# Altium PCB PCB5.PcbDoc (part 2 of 5) (continued)
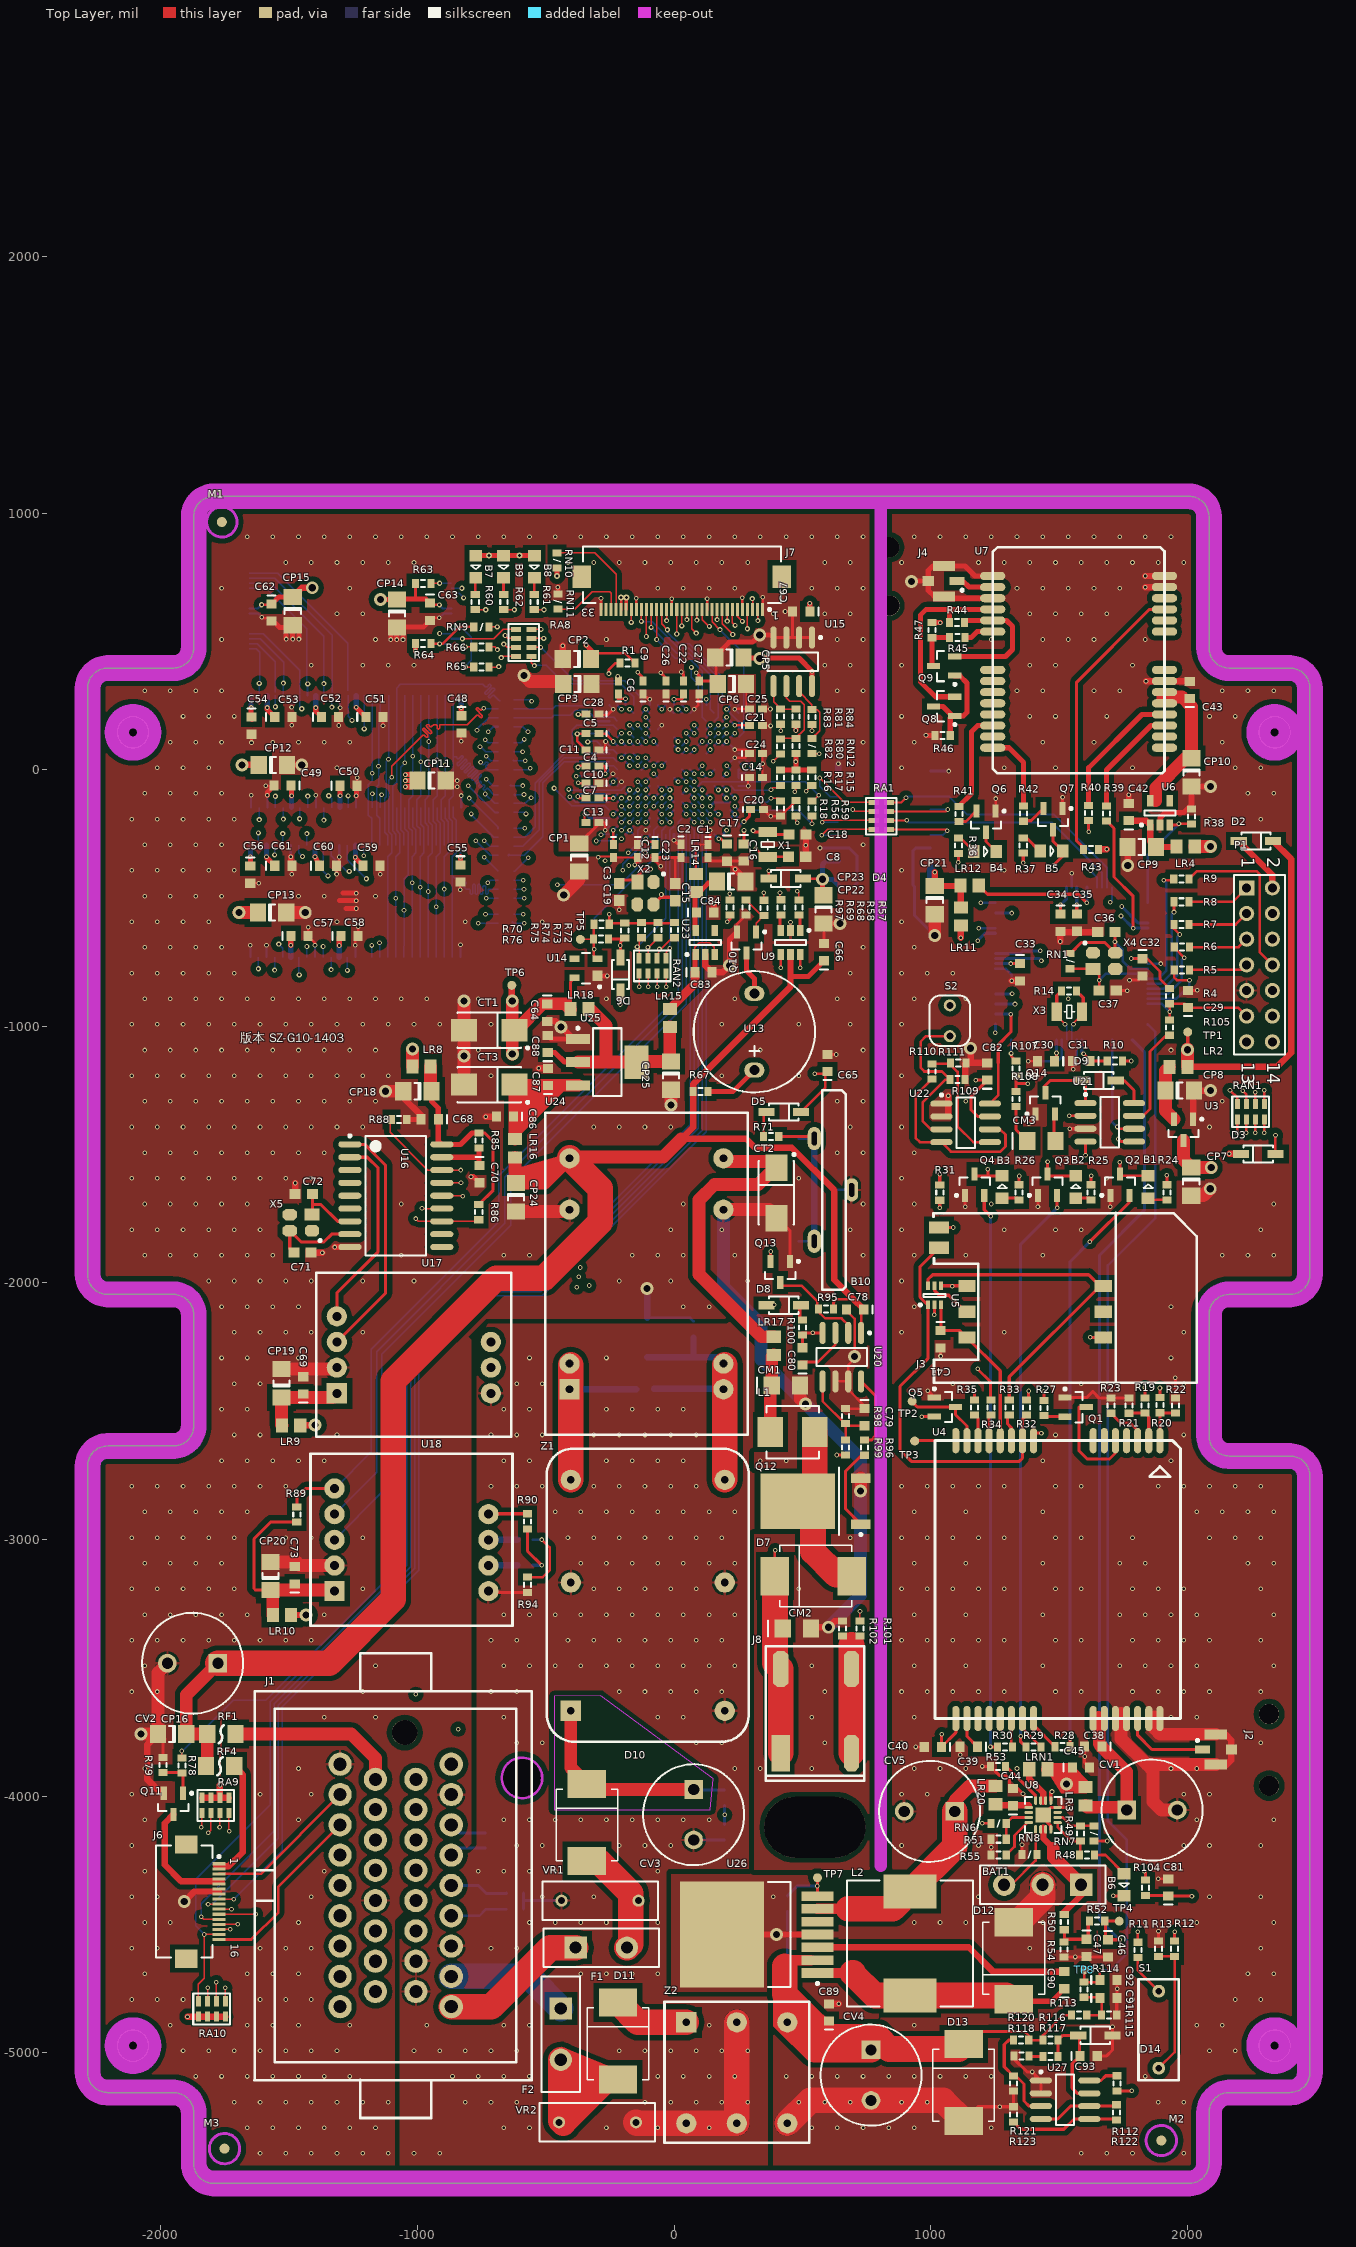
[diagram p0: Top Layer view]
## Nets (pads, with @x,y where several pads share a name; then routed paths per layer and width w, separated by ;. In a path a pad name is that pad's centre, name@x,y a point inside that pad or via, vN(x,y) a via of type N, cw(c..) or ccw(c..) an arc to the next point about the centre after c; other vN are vias at no path point) (continued)
  Bottom Layer w8: U1.C8@-188.98,31.5 v2(-173.23,15.75)
ALADDR12: RA4.4 U1.B9 | length 491
  DATA w5.91: v2(-576.8,-172.25) -542.33,-172.25 -395.36,-25.28 v2(-381.24,-25.28)
  Bottom Layer w5.91: RA4.4@-625.13,-166.48 -582.57,-166.48 v2(-576.8,-172.25) ; v2@-381.24,-24.28 -332.78,-24.28 -292.78,15.72 -236.19,15.72
  Bottom Layer w6: -236.19,15.72 U1.B9@-220.47,0
ALADDR13: RA7.2 U1.H8 | length 986.1
  DATA w5: v2(-583.88,-597.66) -499,-512.78 -499,-420 -267.72,-188.72 -267.72,-97.44 -249.02,-78.74 -195.15,-78.74 -179.65,-63.24 -95.72,-63.24 -47.24,-14.76 v2(-47.24,15.75)
  Bottom Layer w5: RA7.2@-625.13,-597.66 RA7.2@-614.39,-597.66 ; RA7.2@-614.17,-597.44 RA7.2@-614.39,-597.66 ; v2(-583.88,-597.66) RA7.2@-614.39,-597.66
  Bottom Layer w8: RA7.2@-629.29,-593.5 RA7.2@-625.13,-597.66 ; v2(-47.24,15.75) U1.H8@-31.5,31.5
ALADDR14: RA6.4 U1.E9 | length 835.8
  DATA w5: v2(-583.27,-500.6) -544,-461.32 -544,-416 -297.24,-169.24 -297.24,-69.88 -258.86,-31.5 -219.49,-31.5 -202.76,-14.76 -140.75,-14.76 v2(-110.24,15.75)
  Bottom Layer w5: RA6.4@-625.13,-500.6 v2(-583.27,-500.6)
  Bottom Layer w8: U1.E9@-125.98,0 v2(-110.24,15.75)
ALADDR24: RA5.1 U1.C11 | length 505.8
  DATA w5: v2(-580.9,-228.54) -559.25,-228.54 v2@-408.46,-77.76
  Bottom Layer w5: RA5.1@-625.13,-228.54 v2(-580.9,-228.54) ; v2@-408.46,-77.76 -407.22,-79 -204.98,-79 U1.C11@-188.98,-62.99
  other v2: -409.45,-76.77
ALADDR25: RA3.4 U1.G10 | length 852.3
  DATA w5: v2(-560.04,5.91) -558.07,5.91 -550.2,13.78 ccw(c-553.73,17.32) -550.2,20.85 -550.54,21.2 cw(c-547.01,24.73) -550.54,28.27 cw(c-547.01,24.73) -543.47,28.27 -528.98,13.78 ccw(c-525.45,17.32) -521.91,13.78 ccw(c-525.45,17.32) -521.91,20.85 -532.52,31.46 -536.4,35.34 cw(c-532.86,38.87) -536.4,42.41 cw(c-532.86,38.87) -529.33,42.41 -525.45,38.53 -514.84,27.92 ccw(c-511.31,31.46) -507.77,27.92 ccw(c-511.31,31.46) -507.77,34.99 -522.26,49.48 cw(c-518.72,53.02) -522.26,56.55 cw(c-518.72,53.02) -515.19,56.55 -511.31,52.67 -505.43,46.79 ccw(c-501.89,50.33) -498.36,46.79 ccw(c-501.89,50.33) -498.36,53.86 -504.23,59.74 -508.12,63.62 cw(c-504.58,67.16) -508.12,70.69 cw(c-504.58,67.16) -501.05,70.69 -500.7,70.35 ccw(c-497.16,73.88) -493.63,70.35 -478.74,85.24 -115.75,85.24 -62.99,32.48 -62.99,0 v2(-78.74,-15.75)
  Bottom Layer w5: RA3.4@-625.13,0.58 -565.36,0.58 v2(-560.04,5.91)
  Bottom Layer w8: v2(-78.74,-15.75) U1.G10@-62.99,-31.5
ALNSCAS: RA2.4 U1.D6 | length 519.3
  DATA w5: v2(-568.9,147.64) -555.12,133.86 -405.51,133.86 -379.92,159.45 -244.09,159.45 -220.22,135.58 -220.22,135.31 -211.14,126.23 -189.22,126.23 v2(-173.23,110.24)
  Bottom Layer w5: RA2.4@-625.13,167.64 -588.9,167.64 v2(-568.9,147.64)
  Bottom Layer w8: v2(-173.23,110.24) U1.D6@-157.48,94.49
ALNSCS0: RA2.1 U1.D2 | length 671.2
  DATA w5: v2(-555.14,266.75) -537.4,266.73 ccw(c-537.4,271.73) -532.4,271.73 -532.4,279.4 cw(c-527.4,279.4) -527.4,284.4 cw(c-527.4,279.4) -522.4,279.4 -522.4,254.07 ccw(c-517.4,254.07) -517.4,249.07 ccw(c-517.4,254.07) -512.4,254.07 -512.4,279.4 cw(c-507.4,279.4) -507.4,284.4 cw(c-507.4,279.4) -502.4,279.4 -502.4,254.07 ccw(c-497.4,254.07) -497.4,249.07 ccw(c-497.4,254.07) -492.4,254.07 -492.4,279.4 cw(c-487.4,279.4) -487.4,284.4 cw(c-487.4,279.4) -482.4,279.4 -482.4,254.07 ccw(c-477.4,254.07) -477.4,249.07 ccw(c-477.4,254.07) -472.4,254.07 -472.4,261.73 cw(c-467.4,261.73) -467.4,266.73 -345.23,266.73 -333,254.5 -191.51,254.5 v2(-173.23,236.22)
  Bottom Layer w5: RA2.1@-625.13,272.64 -561.04,272.64 v2(-555.14,266.75)
  Bottom Layer w8: v2(-173.23,236.22) U1.D2@-157.48,220.47
ALNSRAS: RA3.1 U1.C6 | length 459.3
  DATA w5: v2(-583.66,118.11) -582.68,119.09 -367.86,119.09 -359.01,127.95 -231.3,127.95 -213.58,110.24 v2(-204.72,110.24)
  Bottom Layer w5: RA3.1@-625.13,105.58 -596.19,105.58 v2(-583.66,118.11)
  Bottom Layer w8: v2(-204.72,110.24) U1.C6@-188.98,94.49
ALNWE: RA3.3 U1.E6 | length 537.3
  DATA w5: v2@-579.58,34.45 -557.09,34.45 -497.3,94.24 -157.73,94.24 v2(-141.73,110.24)
  Bottom Layer w5: RA3.3@-625.13,35.58 v2(-579.58,35.58)
  Bottom Layer w8: RA3.3@-625.28,35.43 RA3.3@-625.13,35.58 ; v2(-141.73,110.24) U1.E6@-125.98,94.49
ALSCKE: RA2.2 U1.A2 | length 390.5
  Bottom Layer w5: RA2.2@-625.13,237.64 -472.29,237.64 -459.93,250 -320.87,250 -291.34,220.47 U1.A2@-251.97,220.47
ALSCLK0: RA5.2 U1.B4 | length 728.4
  Bottom Layer w5: RA5.2@-625.13,-263.54 -582.44,-263.54 -541,-222.1 -541,-51.83 -396.24,92.93 -396.24,155.29 -378.31,173.23 -236.22,173.23 U1.B4@-220.47,157.48
ALSCLK1: RA2.3 U1.B3 | length 434.8
  Bottom Layer w5: RA2.3@-625.13,202.64 -477.36,202.64 -468.5,211.5 -405,211.5 -384.5,232 -380.29,232 -380.08,232.22 -366.41,232.22 -366.19,232 -338.5,232 -310.5,204 -235.49,204 U1.B3@-220.47,188.98
AMP_2_ACC24: F1.1 J1.26 | length 580.1
  Top Layer w100: J1.26@-868.08,-4820.32 -712.32,-4820.32 -482.23,-4590.23 F1.1@-383.24,-4590.23
AMP_2_VCC24: F2.1 J1.27 | length 478.6
  Bottom Layer w100: J1.27@-868.08,-4702.21 -566.27,-4702.21 F2.1@-441.24,-4827.23
AMP_20_DP0: J1.6
AMP_21_DN0: J1.5
ANT: J2.1 U4.28 | length 341.4
  Top Layer w12: U4.28@1806.88,-3697.23 1806.88,-3762.88 1862,-3818 J2.1@2059.82,-3818
ANT_DET: R45.1 U7.20 | length 118.3
  Top Layer w20: R45.1@1133.53,515 1158,515 1181.56,538.56 U7.20@1242.11,538.56
ANTRST: D6.2 J1.22 | length 3963.3
  Top Layer w5: v1(-209,-915) D6.2@-209,-864.93
  ADDR w5: v1@-1011.5,-3597.5 -1006,-3592 -1006,-2067 -768,-1829 -768,-1432 -493,-1157 -276,-1157 -209,-1090 v1(-209,-915)
  DATA w5: v1(-1006,-3603) -978,-3631 -978,-3808 -1081,-3911 -1081,-4213.7 J1.22@-1005.88,-4288.82
ATCK: J1.24 RAN2.3 | length 3779.6
  Top Layer w5: v1(-65.74,-846) RAN2.3@-65.74,-794.23
  ADDR w5: J1.24@-1005.88,-4052.6 -945,-3991.72 -945,-2114 -688,-1857 -688,-1456 -488,-1256 -263,-1256 -65.74,-1058.74 v1(-65.74,-846)
ATDI: J1.15 RAN2.1 | length 3933.9
  Top Layer w5: v1(-135.74,-846) RAN2.1@-135.74,-794.23
  ADDR w5: J1.15@-1163.36,-4170.71 -1097,-4104.35 -1097,-3899 -983,-3785 -983,-2082 -744,-1843 -744,-1442 -488,-1186 -263,-1186 -135.74,-1058.74 v1(-135.74,-846)
ATDO: J1.23 RAN2.4 | length 3912.2
  Top Layer w5: v1(-30.74,-846) RAN2.4@-30.74,-794.23
  ADDR w5: J1.23@-1005.88,-4170.71 -929,-4093.83 -929,-2133 -653,-1857 -653,-1456 -488,-1291 -263,-1291 -30.74,-1058.74 v1(-30.74,-846)
ATMS: J1.14 RAN2.2 | length 4066.5
  Top Layer w5: v1(-100.74,-846) RAN2.2@-100.74,-794.23
  ADDR w5: J1.14@-1163.36,-4288.82 -1071,-4196.46 -1071,-3905 -967,-3801 -967,-2101 -715,-1849 -715,-1448 -488,-1221 -263,-1221 -100.74,-1058.74 v1(-100.74,-846)
BACK: R62.2 U1.K2 | length 889.9
  Top Layer w5: R62.2@-663.36,623.74 v3(-622.18,623.74)
  ADDR w5: v3(-622.18,623.74) -599.38,600.94 -301.16,600.94 -52.24,352.03 -52.24,304.21 v2(15.75,236.22)
  Bottom Layer w8: v2(15.75,236.22) U1.K2@31.5,220.47
BAT: BAT1.1 R50.2 U8.2 U8.3 | length 423.6
  Top Layer w25: 1439,-4122 1439,-4164 1478,-4203 ; R50.2@1517,-4455.47 1586.76,-4385.72 BAT1.1@1586.76,-4345.23
  Top Layer w50: 1478,-4203 1478,-4236.47 BAT1.1@1586.76,-4345.23
BATOFF: U2.57
BOOT: U1.T10
BOOT/EINT16/GPG8: J1.4
BREQ: R61.2 U1.L5 | length 908.8
  Top Layer w5: R61.2@-544.76,623.74 v3(-506.71,623.74)
  ADDR w5: v3(-506.71,623.74) -272.77,623.74 -7.85,358.82 -7.85,320.84 31.5,281.5 31.5,157.48 v2(47.24,141.73)
  Bottom Layer w8: v2(47.24,141.73) U1.L5@62.99,125.99
BSL_RX: U2.19
BSL_TX: U2.18
C\H\G\: B6.2 U8.9 | length 584.7
  Top Layer w12: U8.9@1468.28,-4017.13 1468.28,-3986.72 v1(1473,-3982) ; v1(1711.73,-4388.73) B6.2@1753.76,-4388.73
  DATA w12: v1(1473,-3982) 1473,-4030 1711.73,-4268.73 v1(1711.73,-4388.73)
CAN_N: J1.31 R87.2 U17.7 | length 2108.9
  ADDR w12: J1.31@-868.08,-4229.77 -779,-4140.68 -779,-2395 U17.7@-714,-2330
  Bottom Layer w12: J1.31@-868.08,-4229.77 -840.53,-4202.21 R87.2@-734.23,-4202.21
CAN_P: J1.32 R87.1 U17.6 | length 2092.4
  ADDR w12: J1.32@-868.08,-4111.66 -801,-4044.57 -801,-2317 U17.6@-714,-2230
  Bottom Layer w12: J1.32@-868.08,-4111.66 -836.59,-4143.15 R87.1@-734.23,-4143.15
DACK: R60.2 U1.K7 | length 1157.2
  Top Layer w5: R60.2@-774.61,623.74 v3(-733.4,623.74)
  ADDR w5: v3(-733.4,623.74) -691.9,582.24 -307.24,582.24 -82.68,357.68 -82.68,316.52 -31.5,265.34 -31.5,190.5 31.5,127.5 31.5,94.49 v2(47.24,78.74)
  Bottom Layer w8: U1.K7@31.5,62.99 v2(47.24,78.74)
DGND: B10.2 C1.2 C2.2 C3.2 C4.2 C5.2 C6.2 C7.2 C8.2 C9.2 C10.2 C11.2 C12.2 C13.2 C14.2 C15.2 C16.2 C17.2 C18.2 C19.2 C20.2 C21.2 C22.2 C23.2 C24.2 C25.2 C26.2 C27.2 C28.2 C48.2 C49.2 C50.2 C51.2 C52.2 C53.2 C54.2 C55.2 C56.2 C57.2 C58.2 C59.2 C60.2 C61.2 C62.2 C63.2 C64.2 C65.2 C66.2 C67.2 C68.2 C69.2 C70.2 C71.2 C72.2 C73.2 C77.2 C78.2 C79.1 C83.2 C84.2 C86.2 C87.2 C88.2 CM1.2 CM2.2 CM4.1 CP1.2 CP2.2 CP3.2 CP5.2 CP6.2 CP11.2 CP12.2 CP13.2 CP14.2 CP15.2 CP16.2 CP18.2 CP19.2 CP20.2 CP22.2 CP23.2 CP24.2 CP25.2 CT1.2 CT2.2 CT3.2 CV2.2 J1.9 J1.13 J1.33 J6.6 J6.7 J7.1 J7.5 J7.12 J7.19 J7.26 J7.33 Q10.2 Q11.2 Q12.3 Q13.1 R18.2 R56.2 R69.2 R79.2 R84.1 R88.2 R98.1 R102.2 R119.2 RN11.2 U1.A3 U1.A4 U1.A5 U1.A7 U1.A11 U1.A12 U1.A15 U1.B1 U1.B10 U1.B13 U1.C17 U1.D16 U1.D17 U1.E2 U1.F2 U1.G1 U1.G17 U1.H1 U1.H11 U1.K1 U1.M12 U1.N1 U1.P13 U1.R13 U1.R17 U1.T1 U1.T2 U1.T13 U1.T14 U1.T15 U1.U3 U1.U4 U1.U7 U1.U9 U1.U10 U1.U15 U9.2 U10.6 U10.12 U10.28 U10.41 U10.46 U10.52 U10.54 U11.6 U11.12 U11.28 U11.41 U11.46 U11.52 U11.54 U12.13 U12.36 U14.1 U15.1 U15.2 U15.3 U15.4 U16.9 U17.2 U18.2 U19.2 U19.8 U20.6 U20.7 U23.2 U24.9 U24.16 U25.1 | length 14287.1
  Top Layer w8: v1(-348,-173) -348,-199.56 C13.2@-342.83,-204.72 ; v1(-295,-341) -291.33,-337.33 -240.79,-337.33 C3.2@-236.24,-341.88 C12.2@-141.24,-341.88 ; v2(-153,-371) -141.24,-359.24 C12.2@-141.24,-341.88 ; v1(-52,-376) -73.24,-354.76 C23.2@-73.24,-341.88 C12.2@-141.24,-341.88 ; C1.2@132.76,-341.88 C1.2@143.87,-352.99 ; C16.2@270.07,-355.46 C16.2@272,-355.46 ; C16.2@272,-352.99 C16.2@283.87,-352.99 ; C24.2@345.04,63.98 v1(345.04,23) C14.2@345.04,-30.51 C14.2@346,-31.47 ; C21.2@345.04,172.74 v3@374.73,172.74 ; C25.2@345.04,236.72 v3(375.76,236.72) ; U9.2@454,-625.76 v1(454,-594) ; v1(537.76,152.24) R84.1@537.76,175.72
  Top Layer w10: C56.2@-1651.5,-442.46 v2(-1617.96,-442.46) ; v2(-1646.5,106) C54.2@-1646.5,138.54 ; v2(-1606.27,595.04) -1601.35,590.12 C62.2@-1568.87,590.12 ; v2(-1590.5,-62) C49.2@-1558.96,-62 ; v2(-1489.03,-406.54) C61.2@-1489.03,-374 ; v2(-1489.03,173.46) C53.2@-1489.03,206 ; v2(-1426.03,-614.46) C57.2@-1426.03,-648 -1398.98,-675.06 v2(-1398.98,-684.48) ; v2(-1315.03,-406.46) C60.2@-1315.03,-374 ; v2(-1307.03,172.54) C52.2@-1307.03,206 ; C60.2@-1304.49,-364.99 v2(-1304.49,-340.01) ; v2(-1241.5,-684) C58.2@-1241.5,-658.46 ; C50.2@-1235.03,-62.5 v2(-1235.03,-30.54) ; C58.2@-1231.03,-648 v2(-1231.03,-612.54) ; v2(-1145.03,-407.46) C59.2@-1145.03,-374 ; v2(-1134.03,171.54) C51.2@-1134.03,206 ; C63.2@-950.76,580.28 -938.95,592.09 v2(-914.34,592.09) ; CP11.2@-889.38,-42 v2(-844.5,-42) ; CP11.2@-865.38,-66 v2(-844.5,-66) ; v2(-832.5,-468.32) C55.2@-832.5,-437.46 ; v2(-828.5,111) C48.2@-828.5,143.54 ; v2(-375.24,-104.28) -369.07,-110.46 C7.2@-342.83,-110.46 ; v3(-374.24,9.72) -368.54,15.42 C4.2@-342.83,15.42 C4.2@-348.53,9.72 ; v2(-373.24,-51.28) -371.94,-52.58 C10.2@-342.83,-52.58 ; v3@-370.24,214.72 -370.07,214.54 C28.2@-342.83,214.54 ; C11.2@-342.83,77.54 -377.24,111.95 v3(-377.24,139.72) -376.42,140.54 C5.2@-342.83,140.54 ; J7.33@-284.58,624.44 v2(-284.58,668.7) ; v1(-213.24,-545.76) C19.2@-213.24,-509.69 ; J7.26@-146.78,624.44 v2(-146.78,668.03) ; v2@-112.19,-323.82 v2(-111.22,-322.85) ; C23.2@-73.24,-341.88 -1.24,-341.88 ; J7.19@-8.99,624.44 v2(-8.99,667.05) ; C15.2@4.76,-443.76 4.76,-347.88 -1.24,-341.88 ; C2.2@33,-341.59 32.72,-341.88 -1.24,-341.88 ; J7.12@128.81,624.44 v2(128.81,665.75) ; C17.2@206,-356.46 v1@237.54,-388 ; Q10.2@245.2,-632 245.2,-601.33 R69.2@280,-566.53 ; J7.5@266.6,624.44 v2(266.6,670) ; J7.1@345.34,624.44 v2(345.34,672.64) ; C20.2@349.35,-155.23 374.65,-180.53 R18.2@415.76,-180.53 475,-121.28 R56.2@475,-120.47 ; U20.6@629,-2383.49 U20.7@679,-2383.49 ; C78.2@667.54,-2103 704,-2139.46 v4(704,-2286) 704,-2295 679,-2320 U20.7@679,-2383.49 ; R98.1@669,-2488.47 670.06,-2489.54 C79.1@742,-2489.54 742,-2479 679,-2416 U20.7@679,-2383.49
  Top Layer w12: R79.2@-1991,-3849.47 CP16.2@-1991,-3778.12 ; v2(-142,380) C9.2@-120.5,358.5 ; v2(-52,378) C26.2@-31.5,357.5 ; v2(28,381) 37.5,371.5 C22.2@37.5,346.59 ; v2(87,378) 98.5,366.5 C27.2@98.5,346.59 157.7,346.59 163.52,352.41 CP5.2@163.52,445.77 ; C1.2@143.87,-352.99 146.88,-356 271.46,-356 C16.2@272,-355.46 ; U15.4@387.76,515.26 U15.3@437.76,515.26 464,515.26 ; CT2.2@398.76,-1742.65 451.4,-1795.3 Q13.1@451.4,-1915.66 Q13.1@451.4,-1928.66 ; v1(432.77,616.77) C67.2@462.29,616.77 462.29,516.97 464,515.26 ; U15.1@537.76,515.26 U15.2@487.76,515.26 464,515.26 ; CP22.2@583,-599.12 585,-601.12 C66.2@585,-677.54 ; C65.2@598,-1109.54 v1(632.54,-1109.54)
  Top Layer w20: v2@-1584.62,-99.84 -1584.62,-87.66 C49.2@-1558.96,-62 ; C62.2@-1563.95,582.24 -1536.39,554.68 -1486.2,554.68 v2(-1486.2,509.41) ; v2(-1511.79,509.41) CP15.2@-1511.79,541.89 ; v2(-1493.46,-338.97) -1493.46,-373.09 C61.2@-1491.12,-375.43 ; v2(-1461.59,509.41) CP15.2@-1461.59,551.73 ; -1304.14,-509.84 v2(-1238.35,-509.84) ; -1289.16,-480.56 v2(-1238.35,-480.56) ; -1278.71,-540.6 v2(-1238.35,-540.6) ; v2(-1238.5,-102) -1237.18,-100.68 C50.2@-1237.18,-52.6 ; v2(-1103.32,507.44) CP14.2@-1103.32,543.86 ; v2(-1080.68,507.44) -1080.68,555.67 -977.34,555.67 C63.2@-950.76,582.24 ; CP14.2@-1061,541.89 -1056.08,536.97 v2(-1056.08,507.44) ; R88.2@-1041.47,-1363 -986.46,-1363 C68.2@-985.46,-1362 ; v1(-791,-1586) -781.46,-1586 C70.2@-758,-1609.46 ; C88.2@-494,-1033.54 C88.2@-492,-1035.54 -478.86,-1048.68 -393.32,-1048.68 U25.1@-374.42,-1048.68 ; RN11.2@-452.73,685.59 v2(-452.73,711.18) ; U14.1@-298.71,-803.53 v1(-259.53,-803.53) ; CP5.2@163.52,445.77 214.95,497.21 306.21,497.21 v4(334,525) 378.02,525 U15.4@387.76,515.26 ; v4(216,-763) 216,-661.2 Q10.2@245.2,-632
  Top Layer w25: CP16.2@-1991,-3778.12 CP16.2@-2011.12,-3758 -2052,-3798.88 -2052,-3935 -1998.34,-3988.66 Q11.2@-1988.4,-3988.66 ; v4@-1904.85,-4407 -1869.48,-4371.63 -1773.02,-4371.63 ; CP12.2@-1508.12,18.72 v4(-1450.72,18.72) ; C72.2@-1476.46,-1653 v1(-1476.46,-1610.46) ; C71.2@-1414.54,-1882 v1(-1370,-1882) ; v1(-1322,-1860) U16.9@-1263.13,-1860 ; CP18.2@-1055.12,-1253 -1055.12,-1277.88 -985.46,-1347.54 C68.2@-985.46,-1362 ; v1(-733,-1352) C86.2@-692.46,-1352 ; v1(-527.46,-1163.54) C87.2@-491,-1163.54 ; C64.2@-494,-980.46 -461.54,-980.46 v4(-440,-1002) U25.1@-393.32,-1048.68 ; CP2.2@-433.36,431.72 v1(-433.36,483.64) ; U23.2@122,-720.24 122,-763.01 C83.2@148.22,-789.23 189.77,-789.23 v4(216,-763) ; C84.2@155,-557 v1(155,-521) ; v1(238,-388) 278,-428 CP23.2@278,-435 ; C8.2@513.46,-339 v1(513.46,-293.54) ; v1@514.46,-292.54 C18.2@514.46,-253 ; CM2.2@533.87,-3346.23 538.1,-3342 v4(602.08,-3342) 627.38,-3316.7 R102.2@656.76,-3316.7 ; CP22.2@583,-599.12 v4(646.88,-599.12)
  Top Layer w50: v4(-2077,-3758) CP16.2@-2011.12,-3758 -2011.12,-3518.69 CV2.2@-1974.43,-3482 ; CP20.2@-1573,-3086.88 -1471.12,-3086.88 -1457,-3101 U18.2@-1323,-3101 ; CP19.2@-1530,-2335.88 -1319.88,-2335.88 U17.2@-1314,-2330 ; CP13.2@-1511.12,-556.28 v4(-1436.72,-556.28) ; v4(-1124,-1253) CP18.2@-1055.12,-1253 ; CT3.2@-818.42,-1227 CT1.2@-818.42,-1015 v4(-818.42,-901.58) ; CP24.2@-616,-1721.12 -414.13,-1721.12 U24.16@-407.24,-1714.23 ; v4(-584,367) -561,344 -441.65,344 CP3.2@-431.36,333.72 ; v4(-430,-488) -369,-427 CP1.2@-369,-397.12 ; v4(-12.24,-1306.24) CP25.2@-12.24,-1247.35 ; U24.9@192.76,-1714.23 370.33,-1714.23 CT2.2@398.76,-1742.65 ; CM1.2@491.12,-2399 491.12,-2450.12 v4(513,-2472) ; v4@727.92,-2811 Q12.3@727.92,-2760.46
  Bottom Layer w5: U1.C17@-188.98,-255.91 U1.C17@-188.98,-251.97
  Bottom Layer w6: U1.E2@-125.98,220.47 v2(-110.24,236.22) U1.F2@-94.49,220.47
  Bottom Layer w8: U12.36@-1655.02,608.88 -1620.11,608.88 v2(-1606.27,595.04) ; U11.54@-1650.94,-730.5 v2(-1650.94,-684.45) ; U10.54@-1647.94,-147.5 v2(-1647.94,-99.45) ; U11.52@-1587.95,-730.5 v2(-1587.95,-684.46) ; U10.52@-1584.95,-147.5 v2(-1584.95,-99.46) ; v2(-1493.46,-338.97) U11.6@-1493.46,-293.5 ; v2(-1490.46,243.97) U10.6@-1490.46,289.5 ; U11.46@-1398.98,-730.5 v2(-1398.98,-684.48) ; U10.46@-1395.98,-147.5 v2(-1395.98,-99.48) ; v2(-1304.49,-340.01) U11.12@-1304.49,-293.5 ; v2(-1301.49,241.99) U10.12@-1301.49,289.5 ; U11.41@-1241.5,-730.5 v2(-1241.5,-684) ; U10.41@-1238.5,-147.5 v2(-1238.5,-102) ; v2(-914.34,592.09) -897.55,608.88 U12.13@-867.62,608.88 ; U11.28@-832.05,-730.5 v2(-832.05,-681.55) ; U10.28@-829.05,-147.5 v2(-829.05,-100.45) ; v2(-375.24,-104.28) -365.45,-94.49 U1.A12@-251.97,-94.49 ; v2(-373.24,-51.28) -354.92,-51.28 -343.21,-62.99 U1.A11@-251.97,-62.99 v2(-236.22,-47.24) U1.B10@-220.47,-31.5 ; v3@-370.24,214.72 -353.67,214.72 -327.93,188.98 U1.A3@-251.97,188.98 ; v1@-346.93,-173.07 -331.02,-188.98 U1.A15@-251.97,-188.98 ; U1.A7@-251.97,62.99 -324.52,62.99 -377.24,115.72 v3(-377.24,139.72) -377.24,140.54 -257.38,140.54 -254.22,143.7 ; U1.A5@-251.97,125.99 -254.22,128.24 -254.22,143.7 ; U1.A4@-251.97,157.48 -254.22,155.23 -254.22,143.7 ; U1.B13@-220.47,-125.98 v2(-204.72,-110.24) ; U1.B1@-220.47,251.97 v2(-204.72,236.22) ; U1.C17@-188.98,-251.97 U1.D16@-157.48,-220.47 ; v2(-173.23,-236.22) U1.D17@-157.48,-251.97 ; v2(-111.22,-322.85) -62.99,-274.62 U1.G17@-62.99,-251.97 ; U1.G1@-62.99,251.97 v2(-47.24,236.22) U1.H1@-31.5,251.97 ; U1.H11@-31.5,-62.99 v2(-15.75,-78.74) ; U1.K1@31.5,251.97 v2(47.24,236.22) ; U1.M12@94.49,-94.49 v2(110.24,-110.24) ; U1.N1@125.99,251.97 v2(125.99,275.48) ; U1.P13@157.48,-125.98 158.73,-127.24 219.22,-127.24 U1.T13@220.47,-125.98 ; U1.T2@217.54,222.01 U1.U3@254.22,185.33 ; U1.T2@220.47,220.47 v2(204.73,236.22) U1.T1@220.47,251.97 ; U1.U7@251.97,62.99 256.01,62.99 v1(303,16) 273,-14 251.97,-14 ; U1.U3@251.97,188.98 254.22,186.73 U1.U3@254.22,185.33 ; U1.U10@252.98,-31.93 251.97,-30.92 251.97,-14 ; U1.U9@256,0 U1.U9@251.97,0 251.97,-14 ; 254.22,165.77 252.98,164.53 252.98,162.28 254.22,163.52 254.22,165.77 ; 254.22,165.77 U1.U3@254.22,185.33
  Bottom Layer w10: CM4.1@-105,-2136.23 62.28,-2136.23 R119.2@76,-2149.95 ; v2(141.73,-141.73) U1.P13@157.48,-125.98 ; U1.R17@188.98,-251.97 v2(204.73,-236.22) ; U1.T15@220.47,-188.98 v2(236.22,-173.23) ; U1.T14@220.47,-157.48 v2(236.22,-173.23) ; U1.U15@251.97,-188.98 v2(236.22,-173.23) ; B10.2@636.76,-1637.23 B10.2@692.43,-1637.23
  Bottom Layer w12: v1(569,-305) U19.2@640.87,-305 683,-305 713,-335 713,-440.46 C77.2@705.46,-448
  Bottom Layer w25: CM4.1@-105,-2136.23 v4(-105,-2022) ; U19.8@640.87,-5 v1(640.87,23.87)
  Bottom Layer w50: U24.9@192.76,-1714.23 192.76,-2014.76 339,-2161 339,-2298 v4(513,-2472) ; v4@513.5,-2471.5 727,-2685 v4(727,-2811) 727,-3217.08 v4(602.08,-3342)
  other v1: -1613.24,-5392.28 -1513.24,-5392.28 -1413.24,-5392.28 -1313.24,-5392.28 -1213.24,-5392.28 -1113.24,-5392.28 -1663.24,-5292.28 -1563.24,-5292.28 -1463.24,-5292.28 -1363.24,-5292.28 -1263.24,-5292.28 -1163.24,-5292.28 -1713.24,-5192.28 -1613.24,-5192.28 -1513.24,-5192.28 -1413.24,-5192.28 -1313.24,-5192.28 -1213.24,-5192.28 -1113.24,-5192.28 -1863.24,-5092.28 -1763.24,-5092.28 -1663.24,-5092.28 -1563.24,-5092.28 -1463.24,-5092.28 -1363.24,-5092.28 -1263.24,-5092.28 -1913.24,-4992.28 -1813.24,-4992.28 -1713.24,-4992.28 -1613.24,-4992.28 -1513.24,-4992.28 -1413.24,-4992.28 -1313.24,-4992.28 -1963.24,-4892.28 -1663.24,-4892.28 -1563.24,-4892.28 -1463.24,-4892.28 -1263.24,-4892.28 -2113.24,-4792.28 -2013.24,-4792.28 -1913.24,-4792.28 -1613.24,-4792.28 -1513.24,-4792.28 -1413.24,-4792.28 -2063.24,-4692.28 -1663.24,-4692.28 -1563.24,-4692.28 -1463.24,-4692.28 -2113.24,-4592.28 -2013.24,-4592.28 -1613.24,-4592.28 -1513.24,-4592.28 -1413.24,-4592.28 -2063.24,-4492.28 -1963.24,-4492.28 -1463.24,-4492.28 -2113.24,-4392.28 -2013.24,-4392.28 -1413.24,-4392.28 -2063.24,-4292.28 -1363.24,-4292.28 -2113.24,-4192.28 -2063.24,-4092.28 -1463.24,-4092.28 -2113.24,-3992.28 -1613.24,-3992.28 -1413.24,-3992.28 -2063.24,-3892.28 -1463.24,-3892.28 336.76,-3892.28 536.76,-3892.28 586.76,-3792.28 -2063.24,-3692.28 -1363.24,-3692.28 -1163.24,-3692.28 536.76,-3692.28 -2113.24,-3592.28 -2013.24,-3592.28 -1213.24,-3592.28 586.76,-3592.28 -2063.24,-3492.28 -1163.24,-3492.28 536.76,-3492.28 -2113.24,-3392.28 -2013.24,-3392.28 -1913.24,-3392.28 -1813.24,-3392.28 -1713.24,-3392.28 -1613.24,-3392.28 -1513.24,-3392.28 -1413.24,-3392.28 -2063.24,-3292.28 -1963.24,-3292.28 -1863.24,-3292.28 -1763.24,-3292.28 -1663.24,-3292.28 -1363.24,-3292.28 -2113.24,-3192.28 -2013.24,-3192.28 -1913.24,-3192.28 -1813.24,-3192.28 -1713.24,-3192.28 -1213.24,-3192.28 486.76,-3192.28 -2063.24,-3092.28 -1963.24,-3092.28 -1863.24,-3092.28 -1763.24,-3092.28 -2113.24,-2992.28 -2013.24,-2992.28 -1913.24,-2992.28 -1813.24,-2992.28 -1713.24,-2992.28 -1513.24,-2992.28 -1413.24,-2992.28 -1213.24,-2992.28 686.76,-2992.28 -2063.24,-2892.28 -1963.24,-2892.28 -1863.24,-2892.28 -1763.24,-2892.28 -1663.24,-2892.28 -2113.24,-2792.28 -2013.24,-2792.28 -1913.24,-2792.28 -1813.24,-2792.28 -1713.24,-2792.28 -1613.24,-2792.28 -1513.24,-2792.28 -1763.24,-2692.28 -1663.24,-2692.28 -1563.24,-2692.28 -1463.24,-2692.28 -1363.24,-2692.28 336.76,-2692.28 436.76,-2692.28 -1713.24,-2592.28 -1613.24,-2592.28 -1313.24,-2592.28 -1763.24,-2492.28 -1663.24,-2492.28 -1713.24,-2392.28 -1613.24,-2392.28 -1763.24,-2292.28 -1663.24,-2292.28 -1463.24,-2292.28 -1713.24,-2192.28 -1613.24,-2192.28 -1513.24,-2192.28 -1413.24,-2192.28 -1213.24,-2192.28 -1763.24,-2092.28 -1663.24,-2092.28 -1563.24,-2092.28 -1463.24,-2092.28 36.76,-2092.28 136.76,-2092.28 -1813.24,-1992.28 -1713.24,-1992.28 -1613.24,-1992.28 -1513.24,-1992.28 -1413.24,-1992.28 -1213.24,-1992.28 -1013.24,-1992.28 -213.24,-1992.28 -13.24,-1992.28 286.76,-1992.28 -2063.24,-1892.28 -1963.24,-1892.28 -1863.24,-1892.28 -1763.24,-1892.28 -1663.24,-1892.28 -1563.24,-1892.28 -1063.24,-1892.28 -663.24,-1892.28 -563.24,-1892.28 -163.24,-1892.28 -63.24,-1892.28 36.76,-1892.28 236.76,-1892.28 736.76,-1892.28 -2113.24,-1792.28 -2013.24,-1792.28 -1913.24,-1792.28 -1813.24,-1792.28 -1713.24,-1792.28 -1613.24,-1792.28 -13.24,-1792.28 186.76,-1792.28 686.76,-1792.28 -2063.24,-1692.28 -1963.24,-1692.28 -1863.24,-1692.28 -1763.24,-1692.28 -1663.24,-1692.28 -1563.24,-1692.28 -1063.24,-1692.28 36.76,-1692.28 736.76,-1692.28 -2113.24,-1592.28 -2013.24,-1592.28 -1913.24,-1592.28 -1813.24,-1592.28 -1713.24,-1592.28 -1613.24,-1592.28 -1513.24,-1592.28 -1413.24,-1592.28 486.76,-1592.28 -2063.24,-1492.28 -1963.24,-1492.28 -1863.24,-1492.28 -1763.24,-1492.28 -1663.24,-1492.28 -1563.24,-1492.28 -1463.24,-1492.28 -1363.24,-1492.28 636.76,-1492.28 736.76,-1492.28 -2113.24,-1392.28 -2013.24,-1392.28 -1913.24,-1392.28 -1813.24,-1392.28 -1713.24,-1392.28 -1613.24,-1392.28 -1513.24,-1392.28 -1413.24,-1392.28 -1313.24,-1392.28 -1213.24,-1392.28 -313.24,-1392.28 -213.24,-1392.28 -113.24,-1392.28 -13.24,-1392.28 686.76,-1392.28 -2063.24,-1292.28 -1963.24,-1292.28 -1863.24,-1292.28 -1763.24,-1292.28 -1663.24,-1292.28 -1563.24,-1292.28 -1463.24,-1292.28 -1363.24,-1292.28 -1263.24,-1292.28 -1163.24,-1292.28 636.76,-1292.28 736.76,-1292.28 -2113.24,-1192.28 -2013.24,-1192.28 -1913.24,-1192.28 -1813.24,-1192.28 -1713.24,-1192.28 -1613.24,-1192.28 -1513.24,-1192.28 -1413.24,-1192.28 -1313.24,-1192.28 -1213.24,-1192.28 -1113.24,-1192.28 -713.24,-1192.28 186.76,-1192.28 486.76,-1192.28 686.76,-1192.28 -2063.24,-1092.28 -1963.24,-1092.28 -1863.24,-1092.28 -1763.24,-1092.28 -1663.24,-1092.28 -1563.24,-1092.28 -1463.24,-1092.28 -1363.24,-1092.28 -1263.24,-1092.28 -1163.24,-1092.28 -763.24,-1092.28 336.76,-1092.28 736.76,-1092.28 -2113.24,-992.28 -2013.24,-992.28 -1913.24,-992.28 -1813.24,-992.28 -1713.24,-992.28 -1613.24,-992.28 -1513.24,-992.28 -1413.24,-992.28 -1313.24,-992.28 -1213.24,-992.28 -1113.24,-992.28 -1013.24,-992.28 -913.24,-992.28 -713.24,-992.28 186.76,-992.28 486.76,-992.28 686.76,-992.28 -2063.24,-892.28 -1963.24,-892.28 -1863.24,-892.28 -1763.24,-892.28 -1663.24,-892.28 -1563.24,-892.28 -1463.24,-892.28 -1363.24,-892.28 -1263.24,-892.28 -1163.24,-892.28 -1063.24,-892.28 -963.24,-892.28 -763.24,-892.28 -263.24,-892.28 236.76,-892.28 636.76,-892.28 736.76,-892.28 -2113.24,-792.28 -2013.24,-792.28 -1913.24,-792.28 -1813.24,-792.28 -1713.24,-792.28 686.76,-792.28 -2063.24,-692.28 -1963.24,-692.28 -1863.24,-692.28 -1763.24,-692.28 636.76,-692.28 736.76,-692.28 -2113.24,-592.28 -2013.24,-592.28 -1913.24,-592.28 -1813.24,-592.28 -1313.24,-592.28 -813.24,-592.28 -513.24,-592.28 -2063.24,-492.28 -1963.24,-492.28 -1863.24,-492.28 -1763.24,-492.28 -1463.24,-492.28 -1363.24,-492.28 -1163.24,-492.28 -2113.24,-392.28 -2013.24,-392.28 -1913.24,-392.28 -1813.24,-392.28 -1713.24,-392.28 -2063.24,-292.28 -1963.24,-292.28 -1863.24,-292.28 -1763.24,-292.28 736.76,-292.28 -2113.24,-192.28 -2013.24,-192.28 -1913.24,-192.28 -1813.24,-192.28 -1713.24,-192.28 377,-181 -2063.24,-92.28 -1963.24,-92.28 -1863.24,-92.28 -1763.24,-92.28 -2013.24,7.72 -1913.24,7.72 -1813.24,7.72 -1313.24,7.72 -1963.24,107.72 -1863.24,107.72 -1763.24,107.72 -1563.24,107.72 -1463.24,107.72 -1363.24,107.72 -1263.24,107.72 636.76,107.72 736.76,107.72 -1913.24,207.72 -1813.24,207.72 -1713.24,207.72 686.76,207.72 -2063.24,307.72 -1963.24,307.72 -1863.24,307.72 -1763.24,307.72 636.76,307.72 736.76,307.72 -1413.24,407.72 -1213.24,407.72 -1113.24,407.72 -1013.24,407.72 586.76,407.72 686.76,407.72 -1763.24,507.72 -1163.24,507.72 -263.24,507.72 636.76,507.72 736.76,507.72 -1313.24,607.72 -1213.24,607.72 386.76,607.72 586.76,607.72 686.76,607.72 -1763.24,707.72 -1263.24,707.72 -63.24,707.72 36.76,707.72 136.76,707.72 236.76,707.72 536.76,707.72 636.76,707.72 736.76,707.72 -1513.24,807.72 -1413.24,807.72 -1313.24,807.72 -1213.24,807.72 -1113.24,807.72 -1013.24,807.72 -413.24,807.72 -313.24,807.72 -213.24,807.72 -113.24,807.72 -13.24,807.72 86.76,807.72 186.76,807.72 286.76,807.72 586.76,807.72 686.76,807.72 -1663.24,907.72 -1563.24,907.72 -1463.24,907.72 -1363.24,907.72 -1263.24,907.72 -1163.24,907.72 -1063.24,907.72 -963.24,907.72 -863.24,907.72 -763.24,907.72 -663.24,907.72 -563.24,907.72 -463.24,907.72 -363.24,907.72 -263.24,907.72 -163.24,907.72 -63.24,907.72 36.76,907.72 136.76,907.72 236.76,907.72 336.76,907.72 436.76,907.72 536.76,907.72 636.76,907.72 736.76,907.72
  other v2: -219.5,363.71
  other v3: 376.76,170.72 -373.24,215.72
  other v4: -1908.86,-4411 -819,-1116
DPSH: J7.30 RN10.2 | length 399.5
  Top Layer w5: RN10.2@-452.73,845.04 -308.05,845.04 -225.52,762.52 J7.30@-225.52,624.44
DPSV: J7.31 RN11.1 | length 296.8
  Top Layer w5: RN11.1@-446.83,625.55 -386.79,625.55 -317.89,694.45 -250.96,694.45 -245.21,688.7 J7.31@-245.21,624.44
DREQ: U1.K5
DTR: Q1.3 U4.5 | length 384.1
  Top Layer w12: 1578.09,-2483.23 1578.09,-2654.09 1610,-2686 1697,-2686 1720.27,-2662.73 U4.5@1720.27,-2614.55